# Altium PCB Mynd_LINE_IN_Jack.PcbDoc
Units mm, origin at the board's own origin, x right, y up, seen from the top; angles counter-clockwise.
Board outline 24.1 x 16.5 mm, 2 copper layers (Component Side, Solder Side), stack 1.58 mm thick; 20 components, 8 nets, 42 pads, 71 vias.
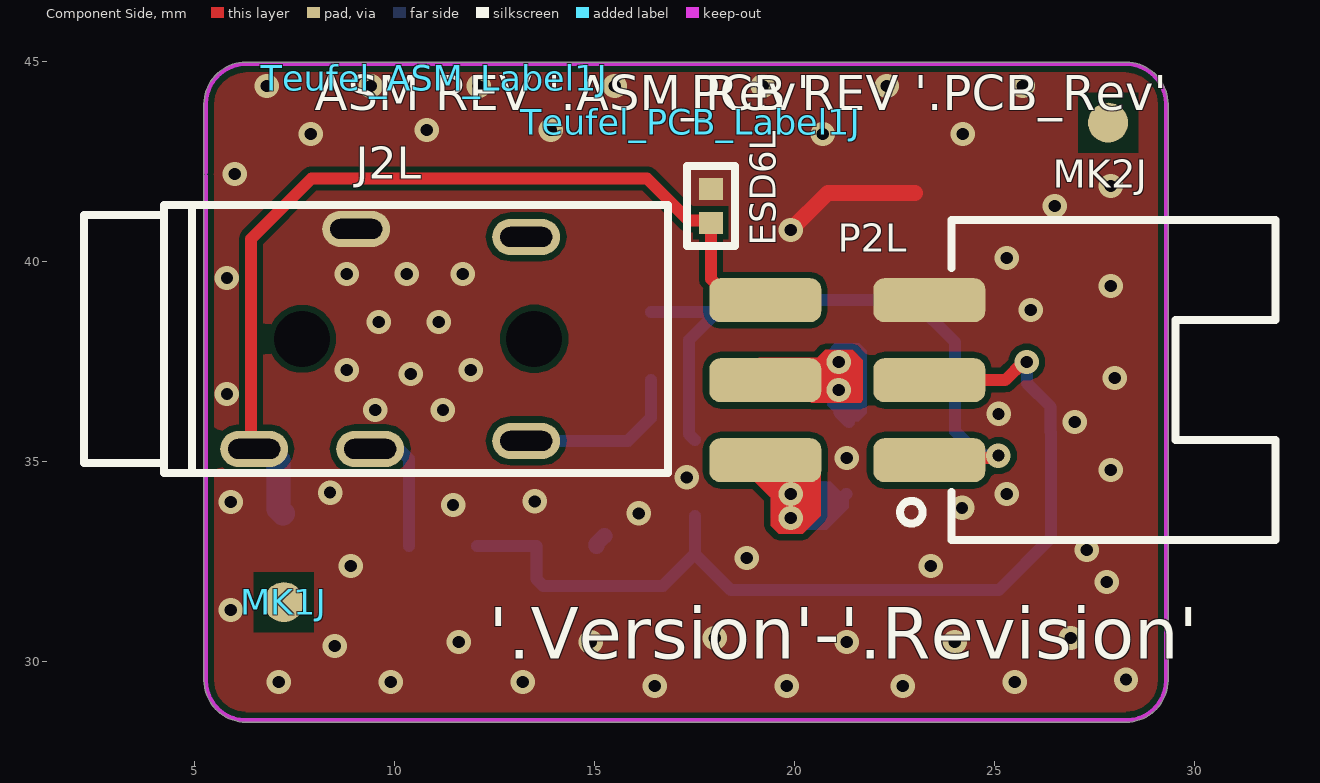
[diagram p0: Component Side view]
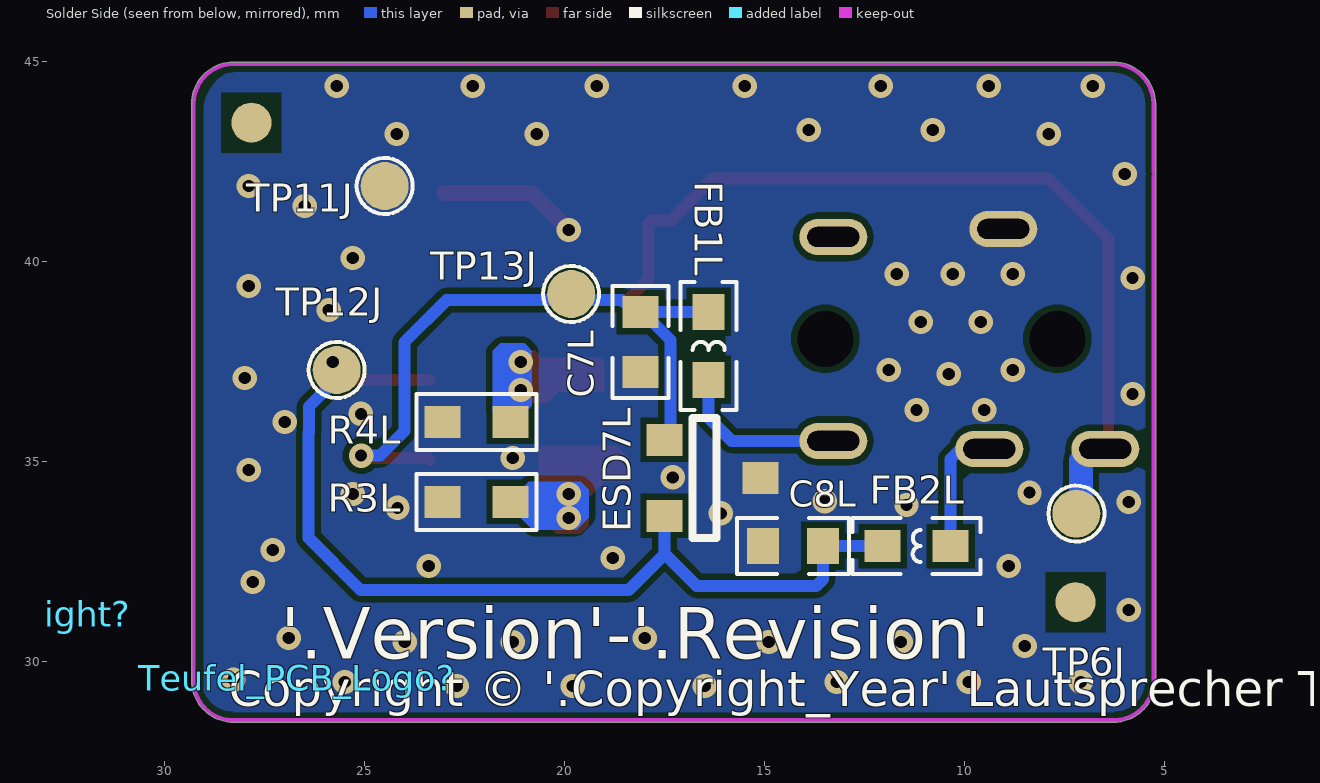
[diagram p1: Solder Side view, seen from below]
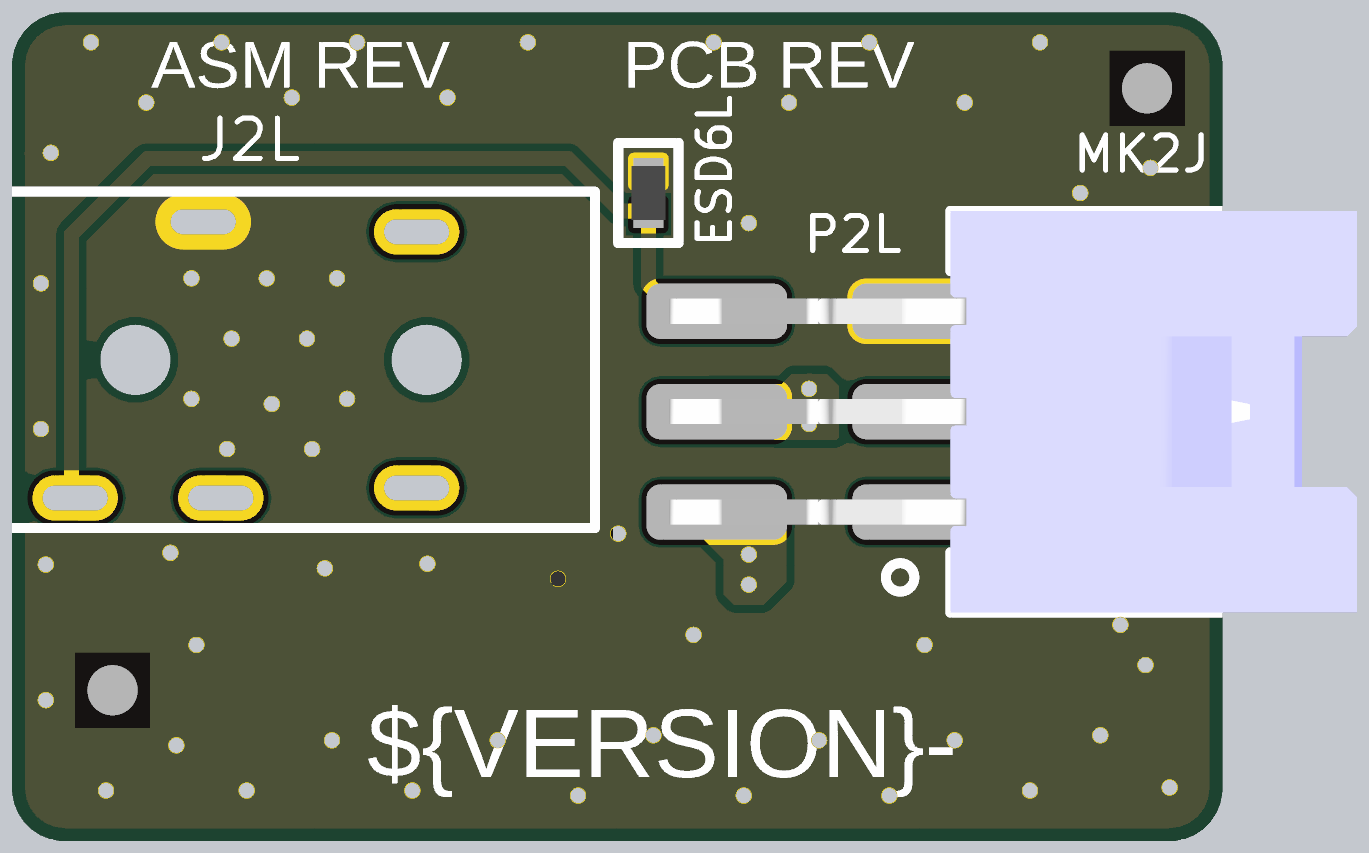
[diagram p2: 3D render of the assembled board from above, using the file's embedded part models]
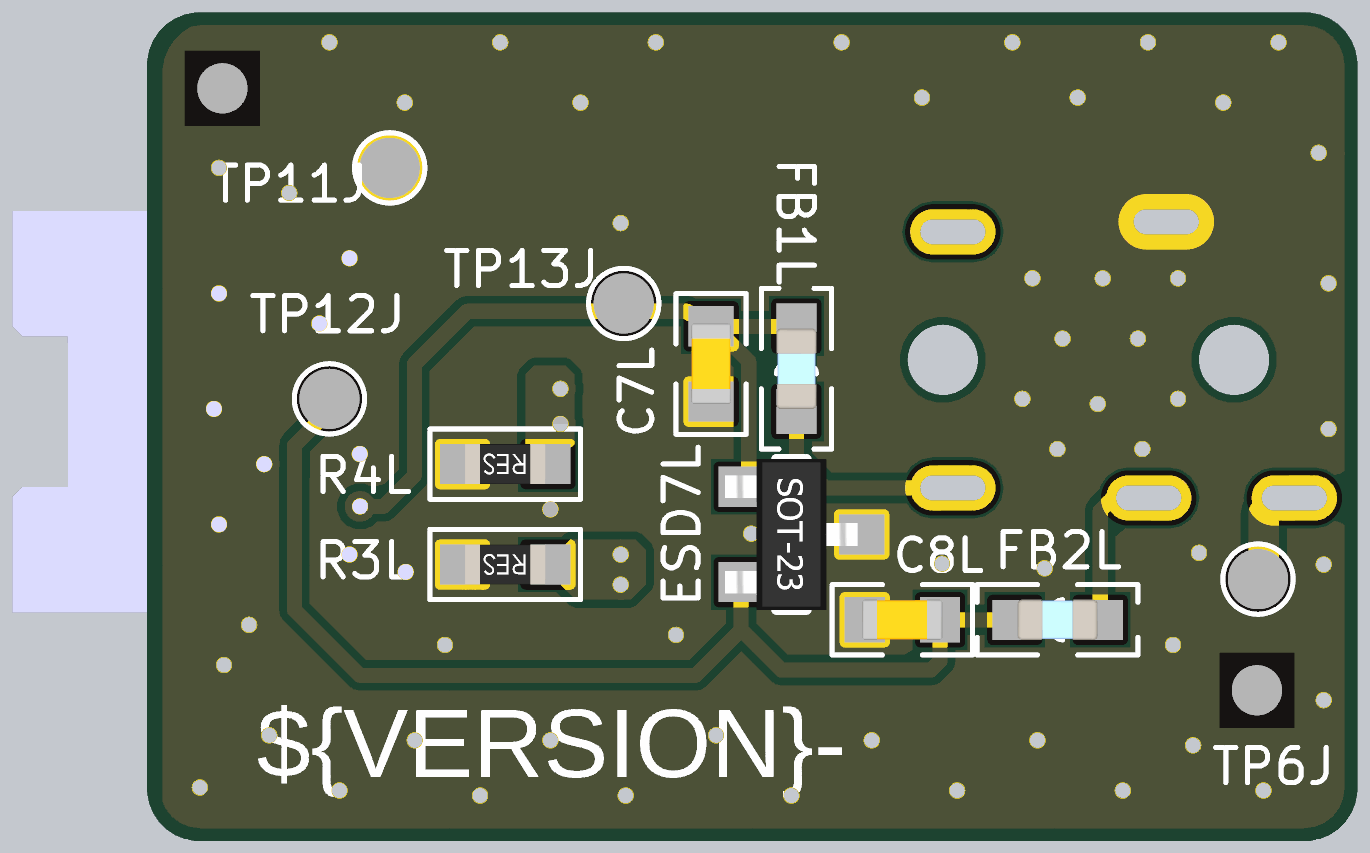
[diagram p3: 3D render of the assembled board from below, using the file's embedded part models]

## Layer stack, top to bottom
Top Solder: solder mask 0.0102, Solder Resist, Dk 3.5
Component Side: signal copper 0.035
Dielectric1: core 1.5097, FR-4, Dk 4.2
Solder Side: signal copper 0.035
Bottom Solder: solder mask 0.0102, Solder Resist, Dk 3.5

## Board outline
5.23,29.545 5.23,43.945 cw(c6.28,43.945) 6.28,44.995 28.28,44.995 cw(c28.28,43.945) 29.33,43.945 29.33,29.545 cw(c28.28,29.545) 28.28,28.494 6.28,28.494 cw(c6.28,29.545)

## Design rules (kind name [scope] priority, off if disabled: settings)
AssemblyTestPointUsage [HasFootprint('PAD-NDK-06')] p1:
AssemblyTestpoint [HasFootprint('PAD-NDK-06')] p1: testpointundercomponent=TRUE minsize=1.016 maxsize=2.54 preferedsize=1.524 minholesize=0 maxholesize=1.016 preferedholesize=0.813 testpointgrid=0.025 usegrid=TRUE gridtolerance=0 allowsidetop=TRUE allowsidebottom=TRUE
Clearance [All] p1: gap=0.15 ignorepadtopadclearanceinfootprint=FALSE
Clearance Clearance_Poly [All] p2 off: gap=0.25 ignorepadtopadclearanceinfootprint=FALSE // Protel DXP Scope 1 Expression Was: InPolygon
ComponentClearance ComponentClearance_Termofühler [HasFootprint('SOP65P1420X360_HS-44N') vs HasFootprint('TO-92_MCP9700')] p1 off: gap=0 collisioncheckmode=3 verticalgap=0.254 showdistances=FALSE
ComponentClearance ComponentClearance_Testpoint [InComponent('TP*')] p2 off: gap=0 collisioncheckmode=3 verticalgap=0.254 showdistances=FALSE
ComponentClearance ComponentClearance_MC16 [OnLayer('Component Side')] p3 off: gap=0 collisioncheckmode=3 verticalgap=0.254 showdistances=FALSE
ComponentClearance ComponentClearance_1 [All] p4 off: gap=0.2 collisioncheckmode=3 verticalgap=0.254 showdistances=FALSE
ComponentClearance ComponentClearance_Stiftleiste [HasFootprint('1X04RM254') vs HasFootprint('1X02RM254')] p5 off: gap=0 collisioncheckmode=3 verticalgap=0.254 showdistances=FALSE
DiffPairsRouting [All] p1 off: maxlimit=0.254 minlimit=0.254 mostfreqgap=0.254 toplayer_minwidth=0.381 toplayer_maxwidth=0.381 toplayer_prefwidth=0.381 bottomlayer_minwidth=0.381 bottomlayer_maxwidth=0.381 bottomlayer_prefwidth=0.381 maxuncoupledlength=12.7 // Protel DXP Scope 1 Expression Was: InDifferentialPairClass('USB_HS_LINES')
FabricationTestpoint [All] p1: side=3 testpointundercomponent=TRUE minsize=0.5 maxsize=2.54 preferedsize=1.524 minholesize=0 maxholesize=1.016 preferedholesize=0.813 testpointgrid=0.025 allowsidetop=TRUE allowsidebottom=TRUE usegrid=TRUE gridtolerance=0
FanoutControl Fanout_LCC [All] p1 off: bgadir=Out bgaviamode=Centered fanoutstyle=Auto fanoutdirection=Alternating viagrid=0.025 // Protel DXP Scope 1 Expression Was: IsLCC   Fanout_LCC (Default Rule)
FanoutControl Fanout_BGA [All] p2 off: bgadir=Out bgaviamode=Centered fanoutstyle=Auto fanoutdirection=Alternating viagrid=0.025 // Protel DXP Scope 1 Expression Was: IsBGA   Fanout_BGA (Default Rule)
FanoutControl Fanout_SOIC [All] p3 off: bgadir=Out bgaviamode=Centered fanoutstyle=Auto fanoutdirection=Alternating viagrid=0.025 // Protel DXP Scope 1 Expression Was: IsSOIC   Fanout_SOIC (Default Rule)
FanoutControl Fanout_Default [All] p4: bgadir=Out bgaviamode=Centered fanoutstyle=Auto fanoutdirection=Alternating viagrid=0.025 // Fanout_Default (Default Rule)
FanoutControl Fanout_Small [All] p5 off: bgadir=Out bgaviamode=Centered fanoutstyle=Auto fanoutdirection=Alternating viagrid=0.025 // Protel DXP Scope 1 Expression Was: (CompPinCount < 5)   Fanout_Small (Default Rule)
Height [All] p1 off: minheight=0 maxheight=25.4 prefheight=12.7
HoleSize [All] p1: absolutevalues=TRUE maxlimit=8 minlimit=0.25 maxpercent=80.000 minpercent=20.000
PlaneClearance [All] p1: clearance=0.3
PlaneConnect [All] p1: planeconnectstyle=Relief reliefexpansion=0.508 reliefentries=4 reliefconductorwidth=0.5 reliefairgap=0.254
PolygonConnect [All] p1: connectstyle=Direct reliefconductorwidth=0.5 reliefentries=4 polygonreliefangle="45 Angle" airgapwidth=0.254
PolygonConnect PolygonConnect_direct_stepup [All] p2 off: connectstyle=Direct reliefconductorwidth=0.254 reliefentries=4 polygonreliefangle="90 Angle" airgapwidth=0.254 // Protel DXP Scope 1 Expression Was: (InNet('NETC548_1') AND IsNamedPolygon('BOT_STEPUP_L502OUT')) OR (InNet('NetL502_1') AND IsNamedPolygon('BOT_STEPUP_L502IN')) OR     (InNet('NetC504_2') AND IsNamedPolygon('BOT_STEPUP_IN')) OR   (InNet('24V') AND IsNamedPolygon('BOT_STEPUP_24VOUT')) OR (InNet('GND') AND (IsNamedPolygon('BOT_STEPUP_GND') OR                     IsNamedPolygon('BOT_GLOBAL_GND') OR                                    IsNamedPolygon('TOP_GLOBAL_GND')                   ) )
PolygonConnect PolygonConnect_VIA [All] p3 off: connectstyle=Direct reliefconductorwidth=0.2 reliefentries=4 polygonreliefangle="90 Angle" airgapwidth=0.254 // Protel DXP Scope 1 Expression Was: isVia  or HasFootprint('HOLE_3.2_6.0') or  HasFootprint('CAPPR750W80D1600H2500') or HasFootprint('JST_B6P-VH-FB-B') or HasFootprint('JST_B2P-VH-FB-B') or HasFootprint('TE_1734366-3')
PolygonConnect PolygonConnect_direct [All] p4 off: connectstyle=Direct reliefconductorwidth=0.254 reliefentries=4 polygonreliefangle="90 Angle" airgapwidth=0.254 // Protel DXP Scope 1 Expression Was: InNet('OUT_A') or InNet('OUT_B') or InNet('OUT_C') or InNet('OUT_D') or InNet('SW1_N') or InNet('SW1_P') or InNet('SW2_N') or InNet('SW2_P') or InNet('NetC500_1') or InNet('NetC500_2') or IsNamedPolygon('BOTTOM_-5V_GND') or IsNamedPolygon('BOTTOM_5V_GND') or IsNamedPolygon('BOTTOM_3V3_GND') or IsNamedPolygon('TOP_24V') or IsNamedPolygon('BOT_5VChg_SW_Node') or ((InNet('41V')) and IsSMTPin)
PolygonConnect PolygonConnect_GND_RC_1 [All] p5 off: connectstyle=Relief reliefconductorwidth=0.5 reliefentries=4 polygonreliefangle="90 Angle" airgapwidth=0.254 // Protel DXP Scope 1 Expression Was: IsNamedPolygon('GND_RC_1')
RoutingVias [All] p1: holewidth=0.3 width=0.7 viastyle="Through Hole" minholewidth=0.25 minwidth=0.5 maxholewidth=6 maxwidth=8
ShortCircuit ShortCircuit_Antenna [InNet('ANTENNA')] p2: allowed=TRUE
SilkToSolderMaskClearance [All] p1 off: minsilkscreentomaskgap=0.254 clearancetoexposedcopper=TRUE // Protel DXP Scope 1 Expression Was: IsPad
SolderMaskExpansion [All] p1: expansion=0.102 istentingtop=FALSE
SupplyNets "Schematic Supply Nets" [InNet('AGND')] p1: voltage=0.000
Width [All] p1: maxlimit=20 minlimit=0.12 preferedwidth=0.2
15 further rules are at their usual default settings.

## Components (designator, comment, footprint, x,y, rotation, side; value= is the part's Value field where it differs from the comment)
C7L "100pF" C0603X80 18.1,38 r270 bottom
C8L "100pF" C0603X80 14.295,32.9 r180 bottom
ESD6L "CESD0501CU" DFN2_100X60X50_65 17.9,41.4 r90 top
ESD7L "SM24C" SOT23-123 16.5,34.6 r270 bottom
FB1L "600R" L0603 16.4,37.9 r90 bottom
FB2L "600R" L0603 11.2,32.9 r0 bottom
J2L "MH35A080-F05J1BR-C" PJ_MH35A080-F05J1BR-C 4.235,38.076 r270 top
MK1J "" MARK 7.229,31.497 r90 top
MK2J "" MARK 27.832,43.484 r90 top
P2L "WB200AW-6" WB200AW_2x3P 21.313,37.045 r90 top locked
R3L "0R" R0603 22.2,34 r0 bottom
R4L "0R" R0603 22.2,36 r0 bottom
Teufel_ASM_Label1J "3.2" Teufel_ASM_Rev 11,44.6 r0 top
Teufel_Copyright? "2023" TEUFEL_COPYRIGHT 34.8,31.2 r180 bottom
Teufel_PCB_Label1J "3.2" Teufel_PCB_Rev 17.4,43.5 r0 top
Teufel_PCB_Logo? "T.3.0.0040-3.2" Teufel_NoLogo 26.7,29.6 r180 bottom
TP6J "TP12" TP120 7.208,33.71 r90 bottom
TP11J "TP12" TP120 24.5,41.9 r90 bottom
TP12J "TP12" TP120 25.7,37.3 r90 bottom
TP13J "TP12" TP120 19.839,39.2 r90 bottom

## Footprints (in the part's own frame and the unit in brackets; to place one, negate y for a bottom-side part, rotate by r counter-clockwise, add the part's x,y. Pads: shape width x height; smd on the part's side, far side on the other; paste and mask are expansions set on the pad)
C0603X80 [mm] "MLCC CAP 0603 T= 0.8 mm"
  rect 0.8x0.9 smd: 1(-0.745,0) 2(0.755,0)
  silkscreen extent -1.4,-0.7 1.4,0.7, body extent -0.8,-0.4 0.8,0.4, height 0.5
DFN2_100X60X50_65 [mm] "DFN, 2-Leads, Body 1.00 x 0.60 mm, Pitch 0.65mm, IPC Medium Density"
  rect 0.55x0.6 smd: 1(-0.425,0) 2(0.425,0)
  silkscreen extent -1,-0.6 1,0.6, body extent -0.54,-0.34 0.54,0.34, height 0.5
L0603 [mm] "Chip Inductor 0603"
  rect 0.9x0.8 smd: 1(-0.85,0) 2(0.85,0)
  silkscreen extent -1.6,-0.7 1.6,0.7, body extent -0.8,-0.4 0.8,0.4, height 1
MARK [mm] "MARK DOT 1mm"
  rect 1.5x1.5 on Top Solder: 0(0,0)
  rect 1.5x1.5 on Bottom Solder: 1(0,0)
  round 1 smd far side mask+0: MK_B(0,0)
  round 1 smd mask+0: MKT(0,0)
  Component Side pour cut-out: -0.75,-0.75 0.75,-0.75 0.75,0.75 -0.75,0.75
  Solder Side pour cut-out: -0.75,-0.75 0.75,-0.75 0.75,0.75 -0.75,0.75
PJ_MH35A080-F05J1BR-C [mm] "PHONE JACK 3.5mm, MINGHENG: MH35A080-F05J1BR-C"
  oval 0.9x1.7 hole 0.5 slot 1.3 at 90 deg: 1(-2.75,4.8) 2(2.75,2.25) 3(2.75,5.15) 4(2.55,9.05) 5(-2.55,9.05)
  round 0 hole 1.4 unplated: M1(0,3.45) M2(0,9.25)
  silkscreen extent -3.35,-2 3.35,12.6, body extent -3.4,-2 3.4,12.6, height 5.66
R0603 [mm] "Chip Resistor 0603"
  rect 0.9x0.8 smd: 1(-0.85,0) 2(0.85,0)
  silkscreen extent -1.5,-0.7 1.5,0.7, body extent -0.8,-0.4 0.8,0.4, height 0.3
SOT23-123 [mm] "3 terminals; 1.9 mm pitch; 2.9 mm x 1.3 mm x 1 mm"
  rect 0.8x0.9 smd: 1(-0.95,-1) 2(0.95,-1) 3(0,1.4)
  silkscreen extent -1.5,-0.3 1.5,0.3, body extent -1.5,-1.32 1.5,1.32, height 1.08
Teufel_ASM_Rev [mm]
TEUFEL_COPYRIGHT [mm]
Teufel_NoLogo [mm] "Teufel NoLogo"
Teufel_PCB_Rev [mm]
TP120 [mm] "TEST PAD 1.2mm"
  round 1.2 smd: 1(0,0)
  silkscreen extent -0.7,-0.7 0.7,0.7
WB200AW_2x3P [mm] "WB200AW 2x3 Pin, 2.0 Pitch AÐÍË«ÅÅÎÔÌùWTB"
  rrect50% 1.1x2.8 smd: 1(-2,-2.05) 2(-2,2.05) 3(0,-2.05) 4(0,2.05) 5(2,-2.05) 6(2,2.05)
  silkscreen extent -4,-10.7 4,-1.32, body extent -4,-10.7 4,3, height 8.11

## Part data
C7L C8L: library part P-001-0637-10, "PSHF SMD M CAP 100pF 50V ±10% 0603 X7R", Manufacturer=Multi-Sourced, Temp_Coefficient=X7R, Tolerance=±10%, Voltage=50V, Part_Number=Generic, Part_Type="Capacitor ceramic SMT"
ESD6L: library part R-001-1582-2, "SMD TVS 2P 5.5 DFN1006 CESD0501CU CTE", Manufacturer=CTE, Voltage=5.5V, Part_Number=CESD0501CU, Part_Type="Diode TVS SMT"
ESD7L: library part R-001-1606-2, "SMD TVS 3P 24V SOT-23 SM24C TONGKE", Manufacturer=TONGKE, Voltage=24V, Part_Number=SM24C, Part_Type="Diode TVS SMT"
FB1L FB2L: library part S-001-0006-21, "PS SMD FERRITE BEAD 600OHM 25% 0603", Current=0.5A, Frequency=100MHz, Manufacturer=[TSA], Tolerance=1:25%, Part_Number=FCM1608KF-601T05, Part_Type="Ferrite Bead SMT"
J2L: library part C-001-1148-2, "SMD PHONE JACK OD3.6mm FEMALE 5P", Manufacturer=MINGHENG, Part_Number=MH35A080-F05J1BR-C, Part_Type="Jack 3.5mm SMT"
MK1J MK2J: library part N-001-00003-2, "MARK DOT", Design Item ID=MARK
P2L: library part C-001-1114-2, "SMD WTB CONNECTOR 6P P2.0mm TIN", Manufacturer=MINGHENG, Part_Number=WB200AW-6, Part_Type="Connector WTB SMT", System=Connector
R3L R4L: library part Q-001-0048-200, "PS SMD RES. 0OHM 1/10W 5% 0603", Manufacturer=Multi-Sourced, Temp_Coefficient=150ppm, Tolerance=1%, Part_Number=Generic, Part_Type="Resistor SMT", Wattage=1/10W
Teufel_ASM_Label1J: library part CMP-00088-3, "Teufel_ASM_Rev"
Teufel_Copyright?: library part CMP-00086-3, "Teufel_Copyright_Year"
Teufel_PCB_Label1J: library part CMP-00087-3, "Teufel_PCB_Label"
Teufel_PCB_Logo?: library part "Teufel NoLogo", "Teufel PCB NoLogo"
TP6J TP11J TP12J TP13J: library part N-001-00010-2, "Test Point", Design Item ID=TP

## Via types
v1: diameter 0.61, hole 0.305, Component Side to Solder Side, tented both sides, 71 vias

## Nets (pads, with @x,y where several pads share a name; then routed paths per layer and width w, separated by ;. In a path a pad name is that pad's centre, name@x,y a point inside that pad or via, vN(x,y) a via of type N, cw(c..) or ccw(c..) an arc to the next point about the centre after c; other vN are vias at no path point)
\Plug_Det: ESD6L.1 J2L.2 P2L.6 TP6J.1 | length 23.8
  Component Side w0.3: J2L.2 6.408,35.403 6.408,40.577 7.916,42.084 16.307,42.084 17.353,41.039 17.811,41.039 ESD6L.1@17.875,40.975 ; ESD6L.1 17.9,39.579 18.434,39.045 P2L.6 P2L.6@20.113,39.045
  Solder Side w0.6: J2L.2 6.804,35.326 7.094,35.036 7.094,33.825 TP6J.1
AGND: C7L.2 C8L.1 ESD6L.2 ESD7L.3 J2L.1 P2L.5 R3L.2 R4L.2 TP11J.1 | length 3.8
  Component Side w0.4: v1@19.878,40.778 20.825,41.725 23,41.725
  Solder Side w0.4: C8L.1 15.04,32.95 C8L.1@15.24,33.15
  other v1: 16.5,29.4 19.8,29.4 22.7,29.4 7.1,29.5 9.9,29.5 13.2,29.5 25.5,29.5 28.28,29.56 8.5,30.4 11.6,30.5 14.9,30.5 21.3,30.5 24,30.5 18,30.6 26.9,30.6 5.9,31.3 27.8,32 8.9,32.4 23.4,32.4 18.8,32.6 27.3,32.8 16.1,33.716 24.182,33.854 11.457,33.925 5.9,34 13.5,34.016 25.3,34.2 8.382,34.234 17.3,34.616 27.9,34.8 21.3,35.1 27,36 25.096,36.204 9.511,36.301 11.203,36.3 5.803,36.7 28,37.1 10.4,37.2 8.8,37.3 11.9,37.3 9.6,38.5 11.1,38.5 25.9,38.8 27.9,39.4 5.803,39.6 8.8,39.7 10.3,39.7 11.7,39.7 25.3,40.1 19.9,40.8 26.5,41.4 27.9,41.9 6,42.2 7.9,43.2 20.7,43.2 24.2,43.2 10.8,43.3 13.9,43.3 6.8,44.4 9.4,44.4 12.1,44.4 15.5,44.4 19.2,44.4 22.3,44.4 25.7,44.4
Line_L_N: P2L.2 R3L.1 | length 3.5
  Component Side w0.3: P2L.2 19.51,35.045 19.9,34.654 v1(19.9,34.2)
  Solder Side w0.3: v1(19.9,34.2) v1(19.9,33.6) 19.984,33.6 20.35,33.966 21.05,33.966 21.284,34.2 R3L.1@21.298,34.2
Line_L_P: C7L.1 ESD7L.1 FB1L.2 P2L.1 TP13J.1 | length 17
  Component Side w0.3: P2L.1 23.42,35.102 25.033,35.102 v1(25.09,35.159)
  Solder Side w0.3: FB1L.2 16.406,38.745 C7L.1@18.05,38.745 ; ESD7L.1 17.35,35.7 17.35,38.045 C7L.1@18.05,38.745 ; v1(25.09,35.159) 24.622,35.159 24.01,35.771 24.01,37.99 22.955,39.045 18.576,39.045 18.526,38.995 18.35,38.995 C7L.1 C7L.1@18.05,38.745
Line_R_N: P2L.4 R4L.1 | length 1.6
  Solder Side w0.3: v1(21.1,37.5) v1(21.1,36.8) 21.119,36.781 21.119,36.231 R4L.1
Line_R_P: C8L.2 ESD7L.2 FB2L.2 P2L.3 TP12J.1 | length 24.7
  Component Side w0.3: P2L.3 25.261,37.045 25.716,37.5 v1(25.8,37.5)
  Solder Side w0.3: FB2L.2 C8L.2 13.54,32.076 13.716,31.9 16.7,31.9 17.5,32.7 ; ESD7L.2 17.5,32.7 ; v1(25.8,37.5) 25.8,36.974 26.395,36.379 26.395,35.749 26.4,35.745 26.4,33.1 25.095,31.795 18.405,31.795 17.5,32.7
NetFB1L_1: FB1L.1 J2L.4 | length 4.3
  Solder Side w0.3: J2L.4 15.826,35.526 16.4,36.1 FB1L.1
NetFB2L_1: FB2L.1 J2L.3 | length 3.2
  Solder Side w0.3: J2L.3 10.101,35.326 10.35,35.077 FB2L.1
pads on no net: J2L.5 J2L.M1 J2L.M2 MK1J.0 MK1J.1 MK1J.MK_B MK1J.MKT MK2J.0 MK2J.1 MK2J.MK_B MK2J.MKT

## Polygon pours and split planes (outlines as drawn)
AGND on Component Side "NONET_L-01_P-001" (solid, remove dead copper, pour order 0): 6.28,28.494 cw(c6.28,29.545) 5.23,29.545 5.23,43.945 cw(c6.28,43.945) 6.28,44.995 28.28,44.995 cw(c28.28,43.945) 29.33,43.945 29.33,29.545 cw(c28.28,29.545) 28.28,28.494
AGND on Solder Side "NONET_L-01_P-001" (solid, remove dead copper, pour order 1): 5.974,28.326 cw(c5.974,29.376) 4.924,29.376 4.924,43.776 cw(c5.974,43.776) 5.974,44.827 27.974,44.827 cw(c27.974,43.776) 29.025,43.776 29.025,29.376 cw(c27.974,29.376) 27.974,28.326

## Keep-outs
Keep-Out Layer:
  lines w0.1: 5.28,33.909 5.28,42.148 ; 5.28,33.995 5.28,29.545 ccw(c6.28,29.545) 6.28,28.545 28.28,28.545 ccw(c28.28,29.545) 29.28,29.545 29.28,43.945 ccw(c28.28,43.945) 28.28,44.945 6.28,44.945 ccw(c6.28,43.945) 5.28,43.945 5.28,42.234

## Other copper
Component Side:
  region net Line_R_N: 19.1,37.6 20.557,37.6 20.757,37.8 21.443,37.8 21.7,37.543 21.7,36.541 21.644,36.484 20.416,36.484 20.15,36.75 19.006,36.75 19.006,37.506
  region net Line_L_N: 18.4,34.5 19,34.5 19.4,34.1 19.4,33.4 19.6,33.2 20.2,33.2 20.65,33.65 20.65,35.3 20.55,35.4 18.7,35.4 18.4,35.1
Solder Side:
  region net Line_L_N: 19.6,34.5 20.9,34.5 21.35,34.05 21.35,33.85 20.8,33.3 19.7,33.3 19.4,33.6 19.4,34.3
  pour cut-out: 15.99,38.521 15.99,37.175 16.015,37.2 16.8,37.2 16.835,37.235 16.835,38.745 16.214,38.745
  region net Line_R_N: 21.004,37.966 21.615,37.966 21.8,37.781 21.8,36.219 21.6,36.019 21.201,36.019 20.819,36.401 20.819,37.781

## Silkscreen, mask and mechanical layers (free items; w line width, h text height)
Mechanical 1:
  circle w0.1: c7.685,38.076 r0.525
  circle w0.1: c13.485,38.076 r0.525
  lines w0.1: 23.16,28.545 28.28,28.545 ccw(c28.28,29.545) 29.28,29.545 29.28,43.945 ; 23.217,28.545 6.28,28.545 cw(c6.28,29.545) 5.28,29.545 5.28,43.945 cw(c6.28,43.945) 6.28,44.945 14.265,44.945 28.28,44.945 cw(c28.28,43.945) 29.28,43.945 ; 29.28,43.931 29.28,43.945 ; 6.1,35 cw(c6.1,35.3) 6.1,35.6 ; 6.1,35 cw(c6.1,35.3) 6.1,35.6 ; 6.1,35 6.9,35 ; 6.1,35 6.9,35 ; 6.1,35.6 6.9,35.6 ; 6.1,35.6 6.9,35.6 ; 6.9,35 ccw(c6.9,35.3) 6.9,35.6 ; 6.9,35 ccw(c6.9,35.3) 6.9,35.6 ; 8.695,40.5 cw(c8.695,40.8) 8.695,41.1 ; 8.695,40.5 cw(c8.695,40.8) 8.695,41.1 ; 8.695,40.5 9.495,40.5 ; 8.695,40.5 9.495,40.5 ; 8.695,41.1 9.495,41.1 ; 8.695,41.1 9.495,41.1 ; 9,35 cw(c9,35.3) 9,35.6 ; 9,35 cw(c9,35.3) 9,35.6 ; 9,35 9.8,35 ; 9,35 9.8,35 ; 9,35.6 9.8,35.6 ; 9,35.6 9.8,35.6 ; 9.495,40.5 ccw(c9.495,40.8) 9.495,41.1 ; 9.495,40.5 ccw(c9.495,40.8) 9.495,41.1 ; 9.8,35 ccw(c9.8,35.3) 9.8,35.6 ; 9.8,35 ccw(c9.8,35.3) 9.8,35.6 ; 12.9,35.2 cw(c12.9,35.5) 12.9,35.8 ; 12.9,35.2 cw(c12.9,35.5) 12.9,35.8 ; 12.9,35.2 13.7,35.2 ; 12.9,35.2 13.7,35.2 ; 12.9,35.8 13.7,35.8 ; 12.9,35.8 13.7,35.8 ; 12.9,40.3 cw(c12.9,40.6) 12.9,40.9 ; 12.9,40.3 cw(c12.9,40.6) 12.9,40.9 ; 12.9,40.3 13.7,40.3 ; 12.9,40.3 13.7,40.3 ; 12.9,40.9 13.7,40.9 ; 12.9,40.9 13.7,40.9 ; 13.7,35.2 ccw(c13.7,35.5) 13.7,35.8 ; 13.7,35.2 ccw(c13.7,35.5) 13.7,35.8 ; 13.7,40.3 ccw(c13.7,40.6) 13.7,40.9 ; 13.7,40.3 ccw(c13.7,40.6) 13.7,40.9
Mechanical 2:
  drawing of 17682 lines, arcs and shapes, not listed
Top Assembly:
  drawing of 3632 lines, arcs and shapes, not listed

## Text inside footprints (layer, text, board x,y; h text height)
Teufel_ASM_Label1J: Top Overlay "ASM REV '.ASM_Rev'" at 8,43.5 h1.5
Teufel_Copyright?: Bottom Overlay "Copyright © '.Copyright_Year' Lautsprecher Teufel GmbH" at 28.4,28.6 h1.5
Teufel_PCB_Label1J: Top Overlay "PCB REV '.PCB_Rev'" at 17.4,43.5 h1.5